# Altium PCB AS_node_pcb_version2.PcbDoc (part 1 of 2)
Units mm, origin at the board's own origin, x right, y up, seen from the top; angles counter-clockwise.
Board outline 125 x 100 mm, 4 copper layers (Top Layer, Layer 1, Layer 2, Bottom Layer), stack 0.603 mm thick; 118 components, 117 nets, 451 pads, 155 vias.
Unrouted connection lines stored in the file: 7.
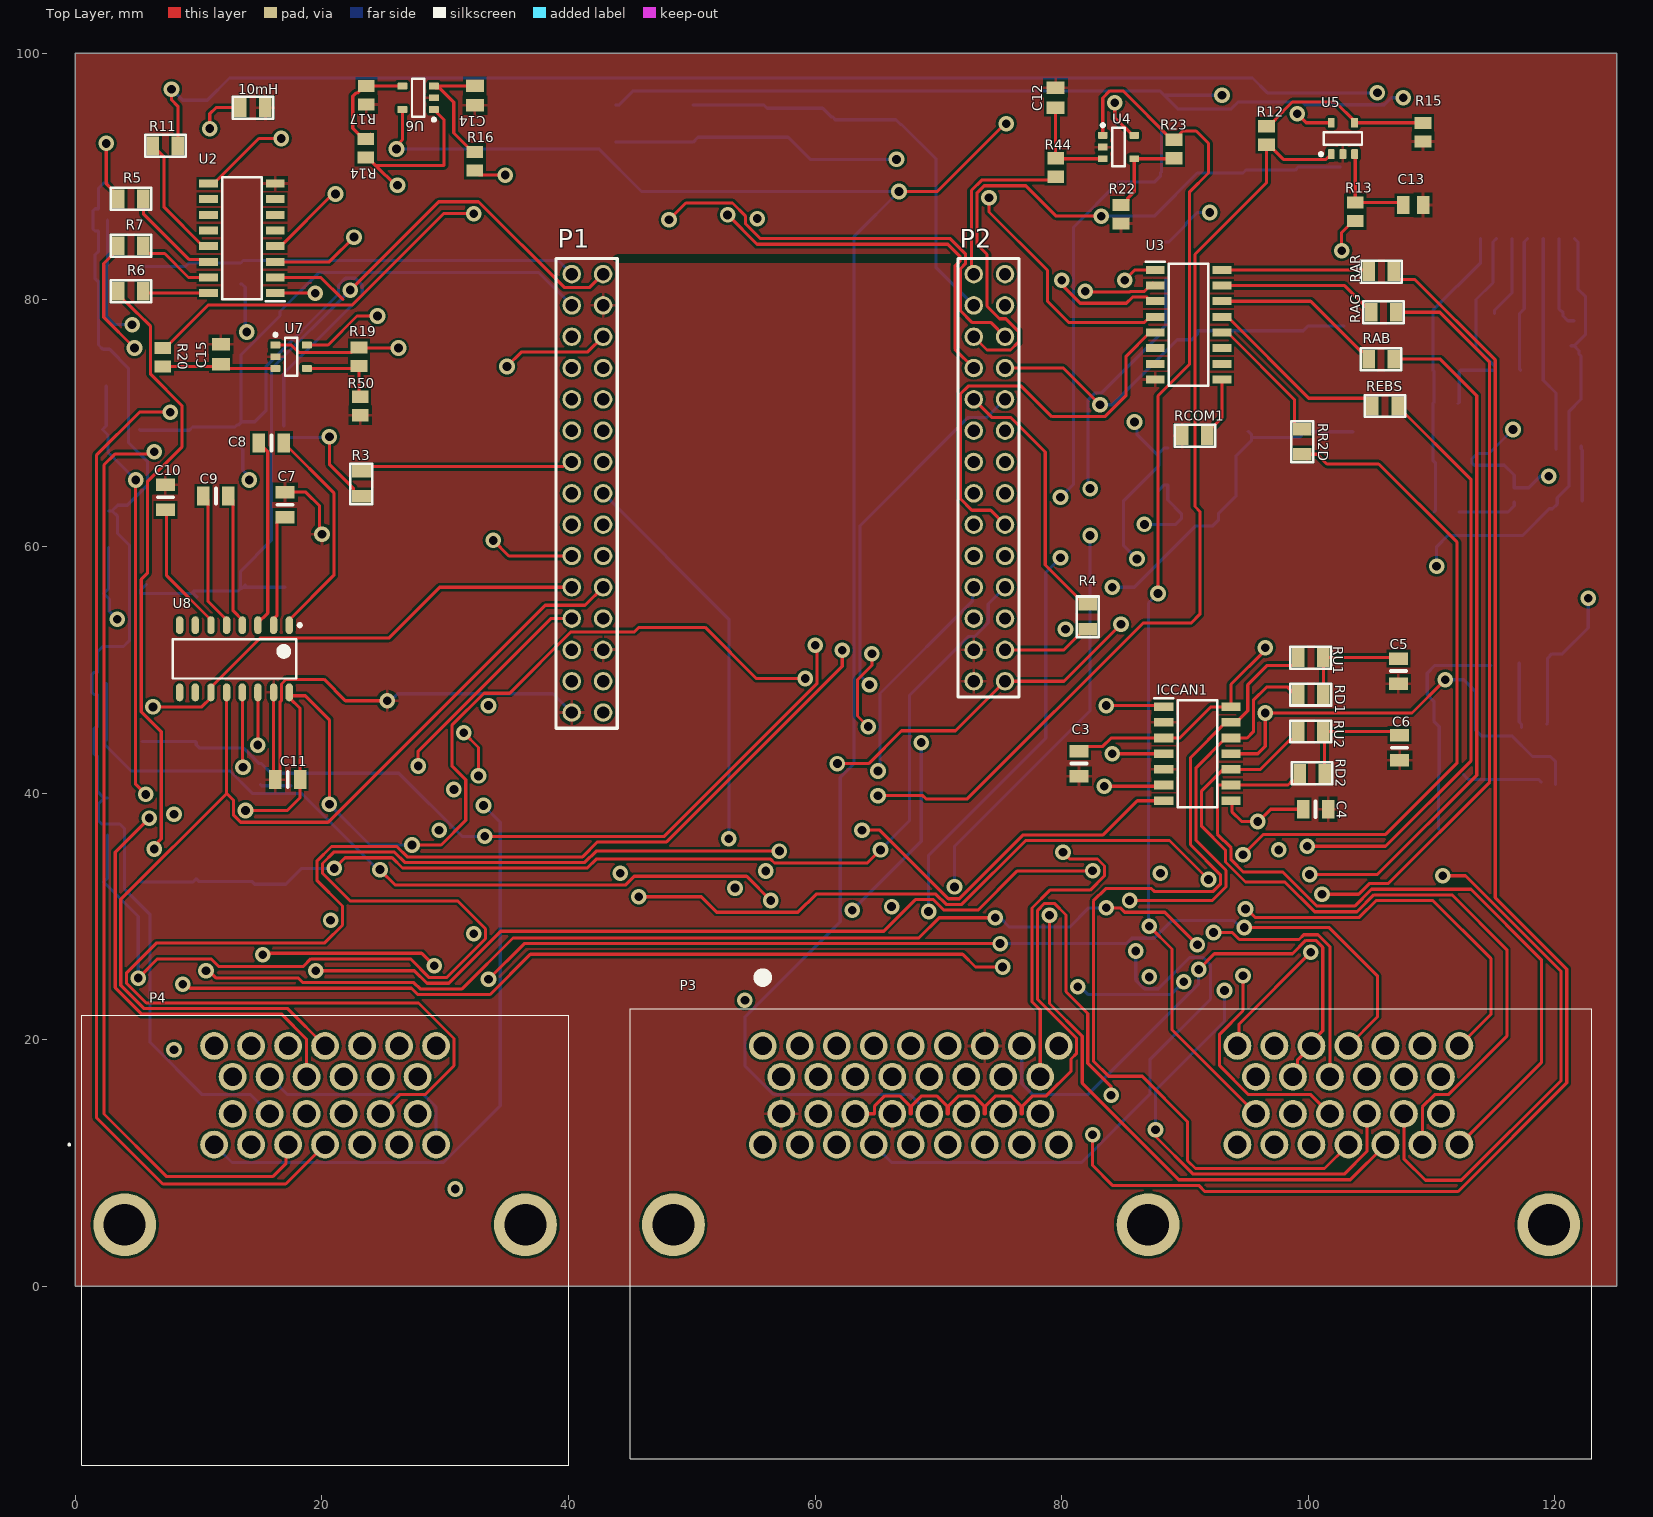
[diagram p0: Top Layer view]
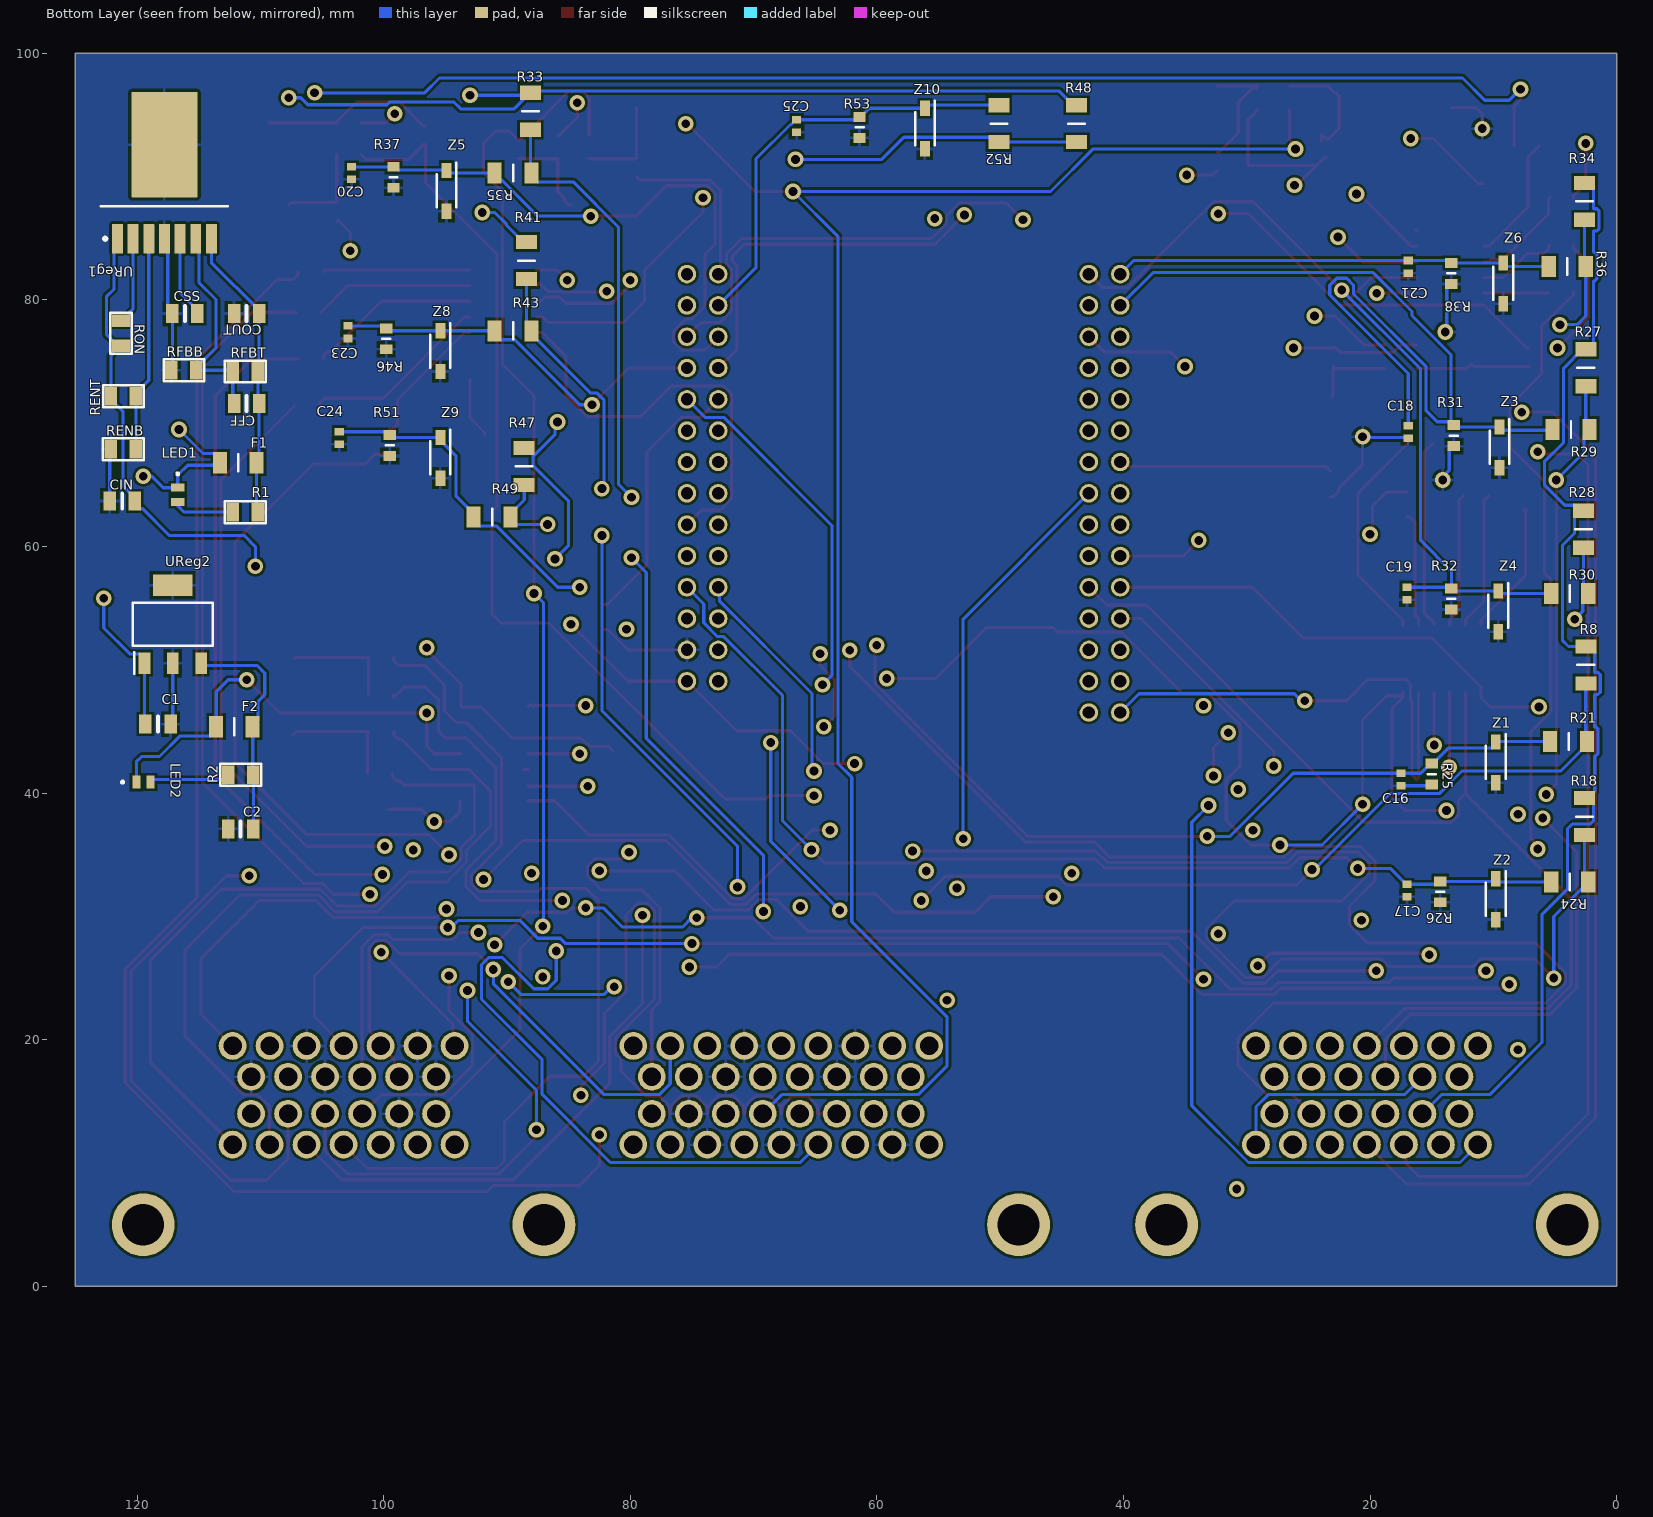
[diagram p1: Bottom Layer view, seen from below]
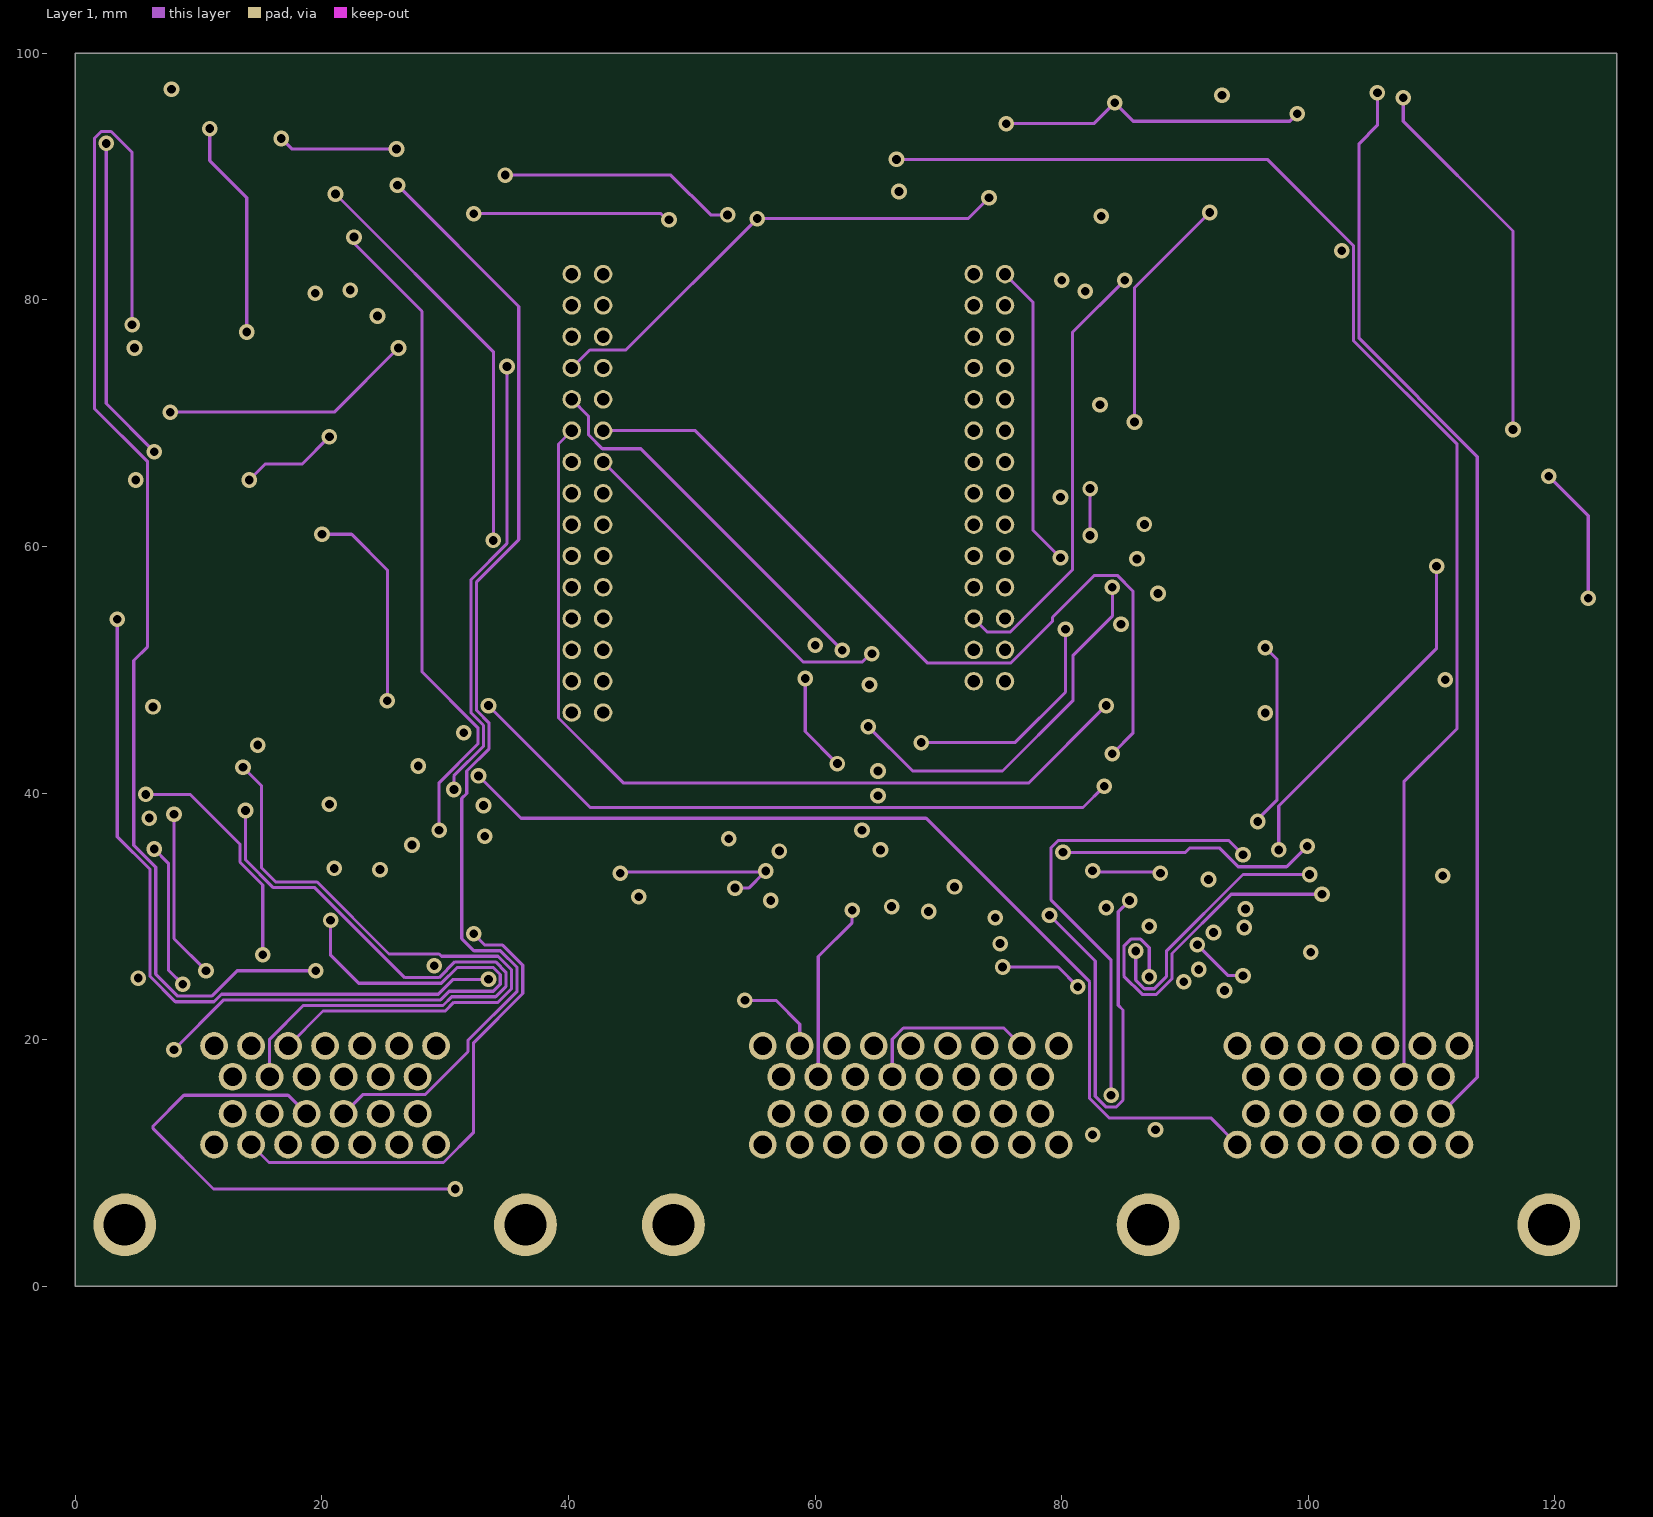
[diagram p2: Layer 1]
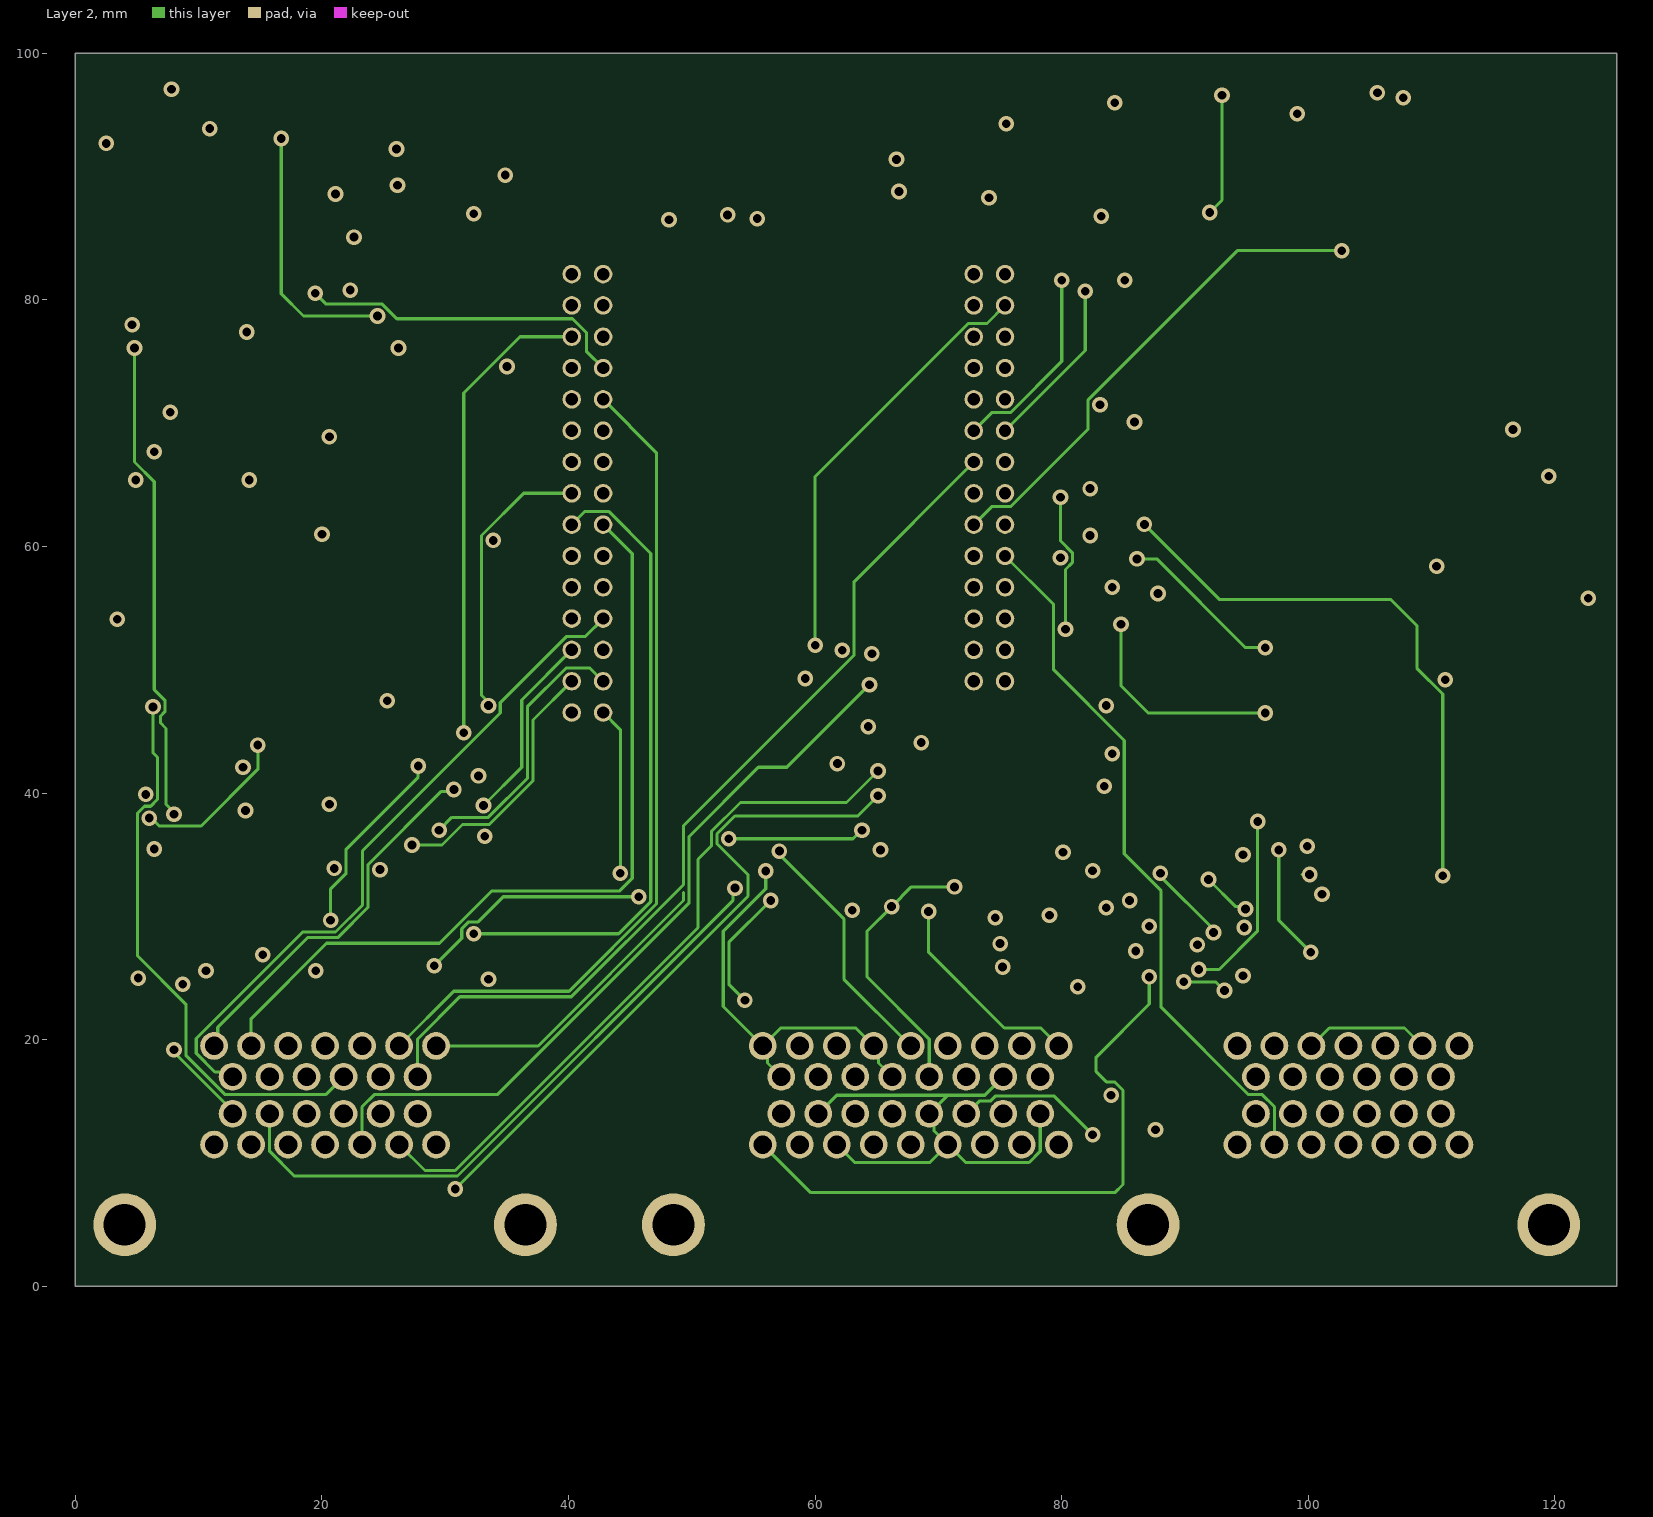
[diagram p3: Layer 2]
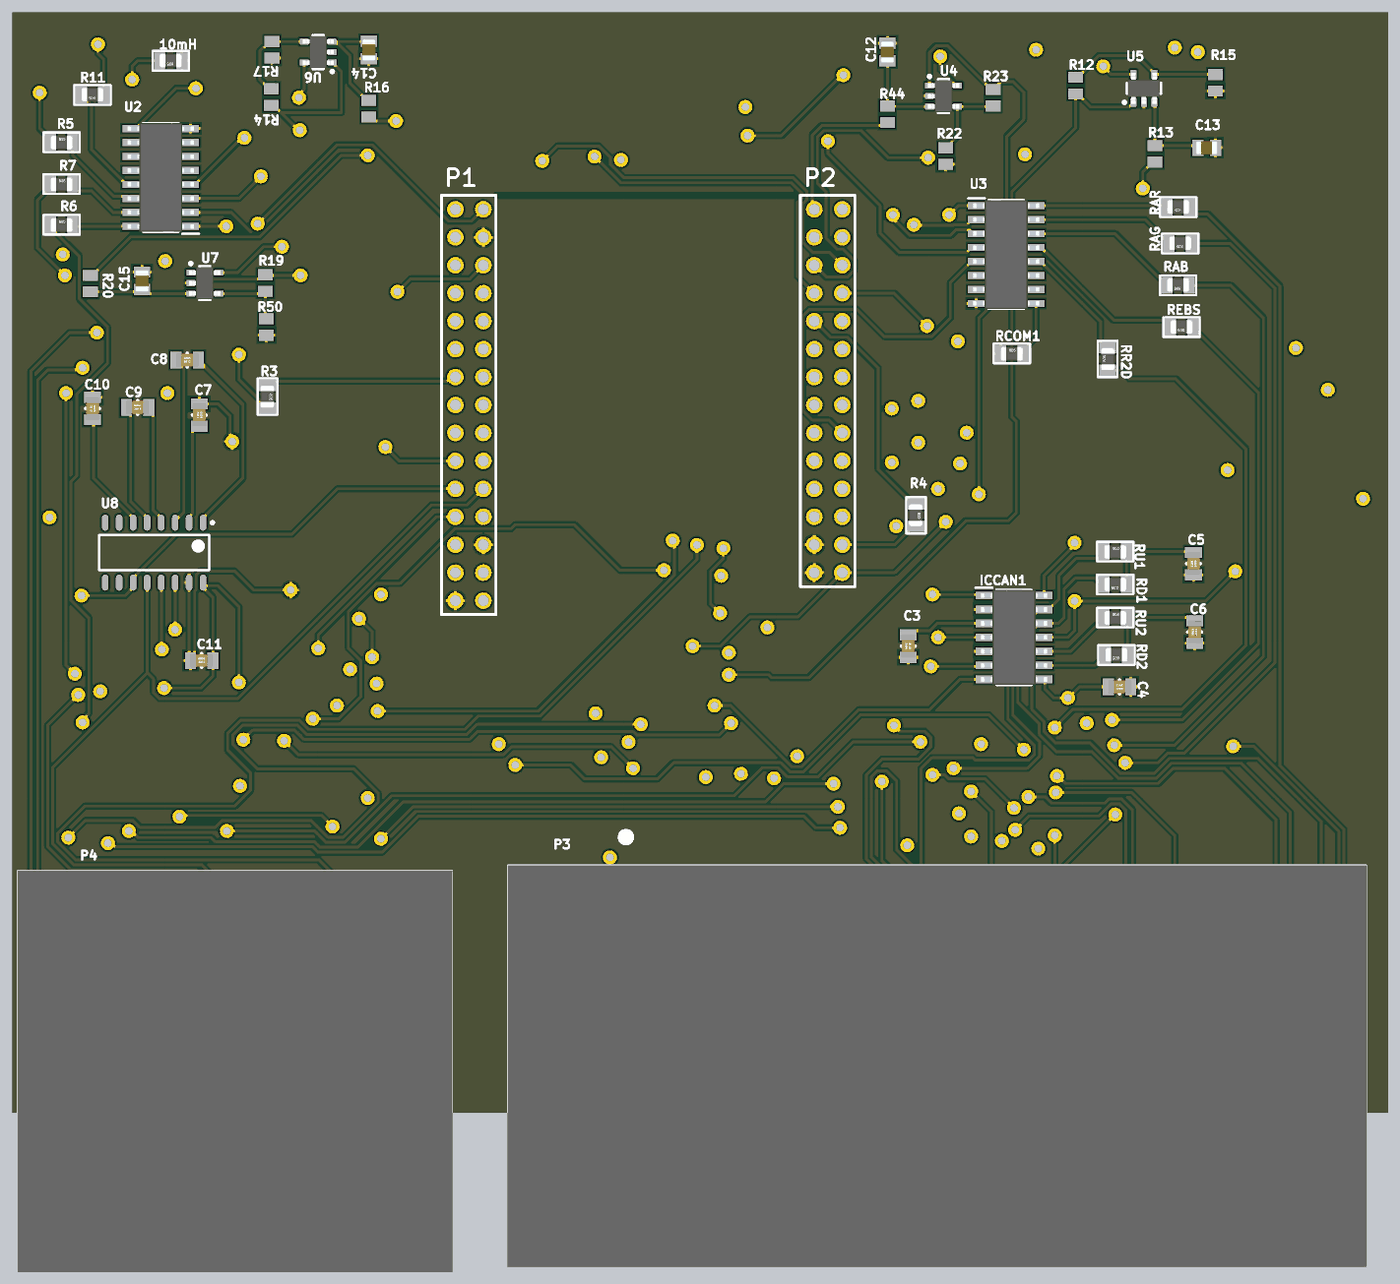
[diagram p5: 3D render of the assembled board from above, using the file's embedded part models]
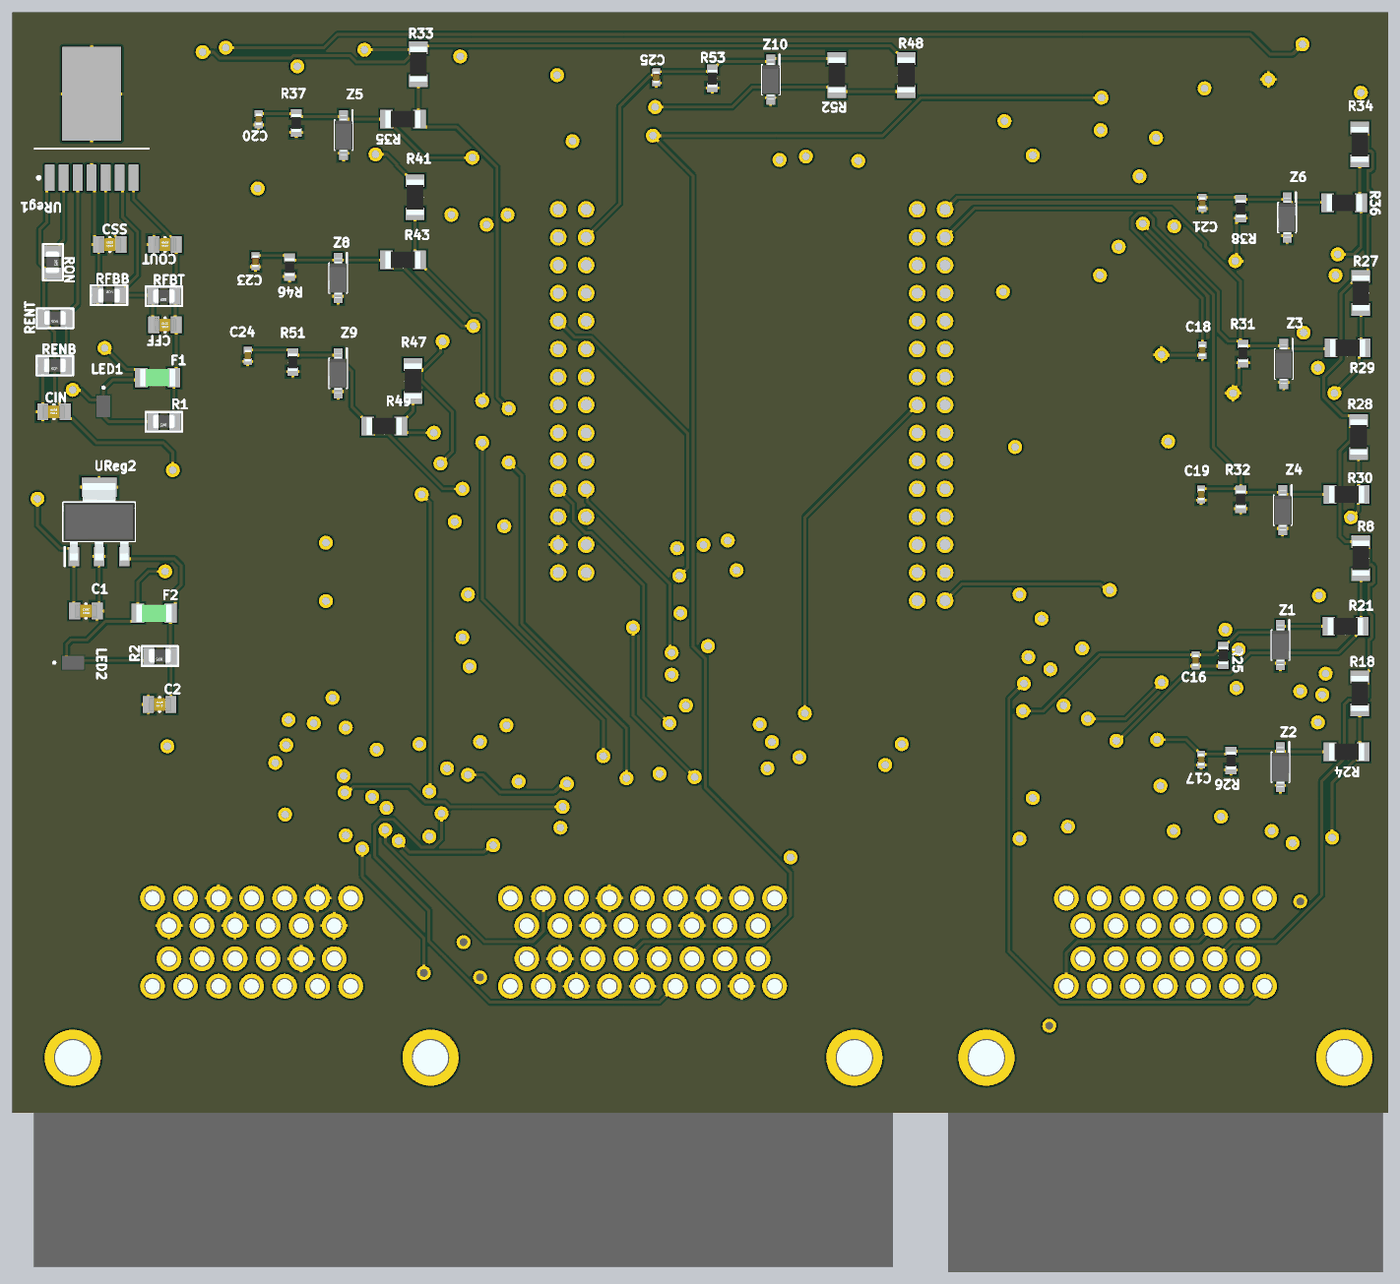
[diagram p6: 3D render of the assembled board from below, using the file's embedded part models]

## Layer stack, top to bottom
Top Solder: solder mask 0.0102, Solder Resist, Dk 3.5
Top Layer: signal copper 0.0356
Dielectric 2: prepreg 0.0711, PP-006, Dk 4.1
Layer 1: signal copper 0.035
Dielectric 1: dielectric 0.32, FR-4, Dk 4.8
Layer 2: signal copper 0.035
Dielectric 3: prepreg 0.0711, PP-006, Dk 4.1
Bottom Layer: signal copper 0.0356
Bottom Solder: solder mask 0.0102, Solder Resist, Dk 3.5

## Board outline
0,0 0,100 125,100 125,0

## Design rules (kind name [scope] priority, off if disabled: settings)
Clearance [All] p1: gap=0.2 ignorepadtopadclearanceinfootprint=FALSE
PolygonConnect [All] p1: connectstyle=Relief reliefconductorwidth=0.254 reliefentries=4 polygonreliefangle="90 Angle" airgapwidth=0.254
RoutingVias [All] p1: holewidth=0.711 width=1.27 viastyle="Through Hole" minholewidth=0.711 minwidth=1.27 maxholewidth=0.711 maxwidth=1.27
SolderMaskExpansion [All] p1: expansion=0.102
Width [All] p1: maxlimit=0.254 minlimit=0.254 preferedwidth=0.254
30 further rules are at their usual default settings.

## Classes and differential pairs
component class AS_Node_Voltage_Regulators: C1 C2 CFF CIN COUT CSS F1 F2 LED1 LED2 R1 R2 RENB RENT RFBB RFBT RON UReg1 UReg2
component class AS_Node_Transceiver: C3 C4 C5 C6 C7 C8 C9 C10 C11 ICCAN1 RD1 RD2 RU1 RU2 U8
component class AS_Node_Outputs: C12 C13 C14 C15 R5 R6 R7 R11 R12 R13 R14 R15 R16 R17 R19 R20 R22 R23 R44 R50 RAB RAG RAR RCOM1 REBS RR2D U2 U3 U4 U5 U6 U7
component class AS_Node_Inputs: C16 C17 C18 C19 C20 C21 C23 C24 C25 R8 R18 R21 R24 R25 R26 R27 R28 R29 R30 R31 R32 R33 R34 R35 R36 R37 R38 R41 R43 R46 R47 R48 R49 R51 R52 R53 Z1 Z2 Z3 Z4 Z5 Z6 Z8 Z9 Z10
component class AS_Node_Connectors: 10mH P1 P2 P3 P4 R3 R4
